# Altium PCB RTM_SFP.PcbDoc (part 7 of 17) (continued)
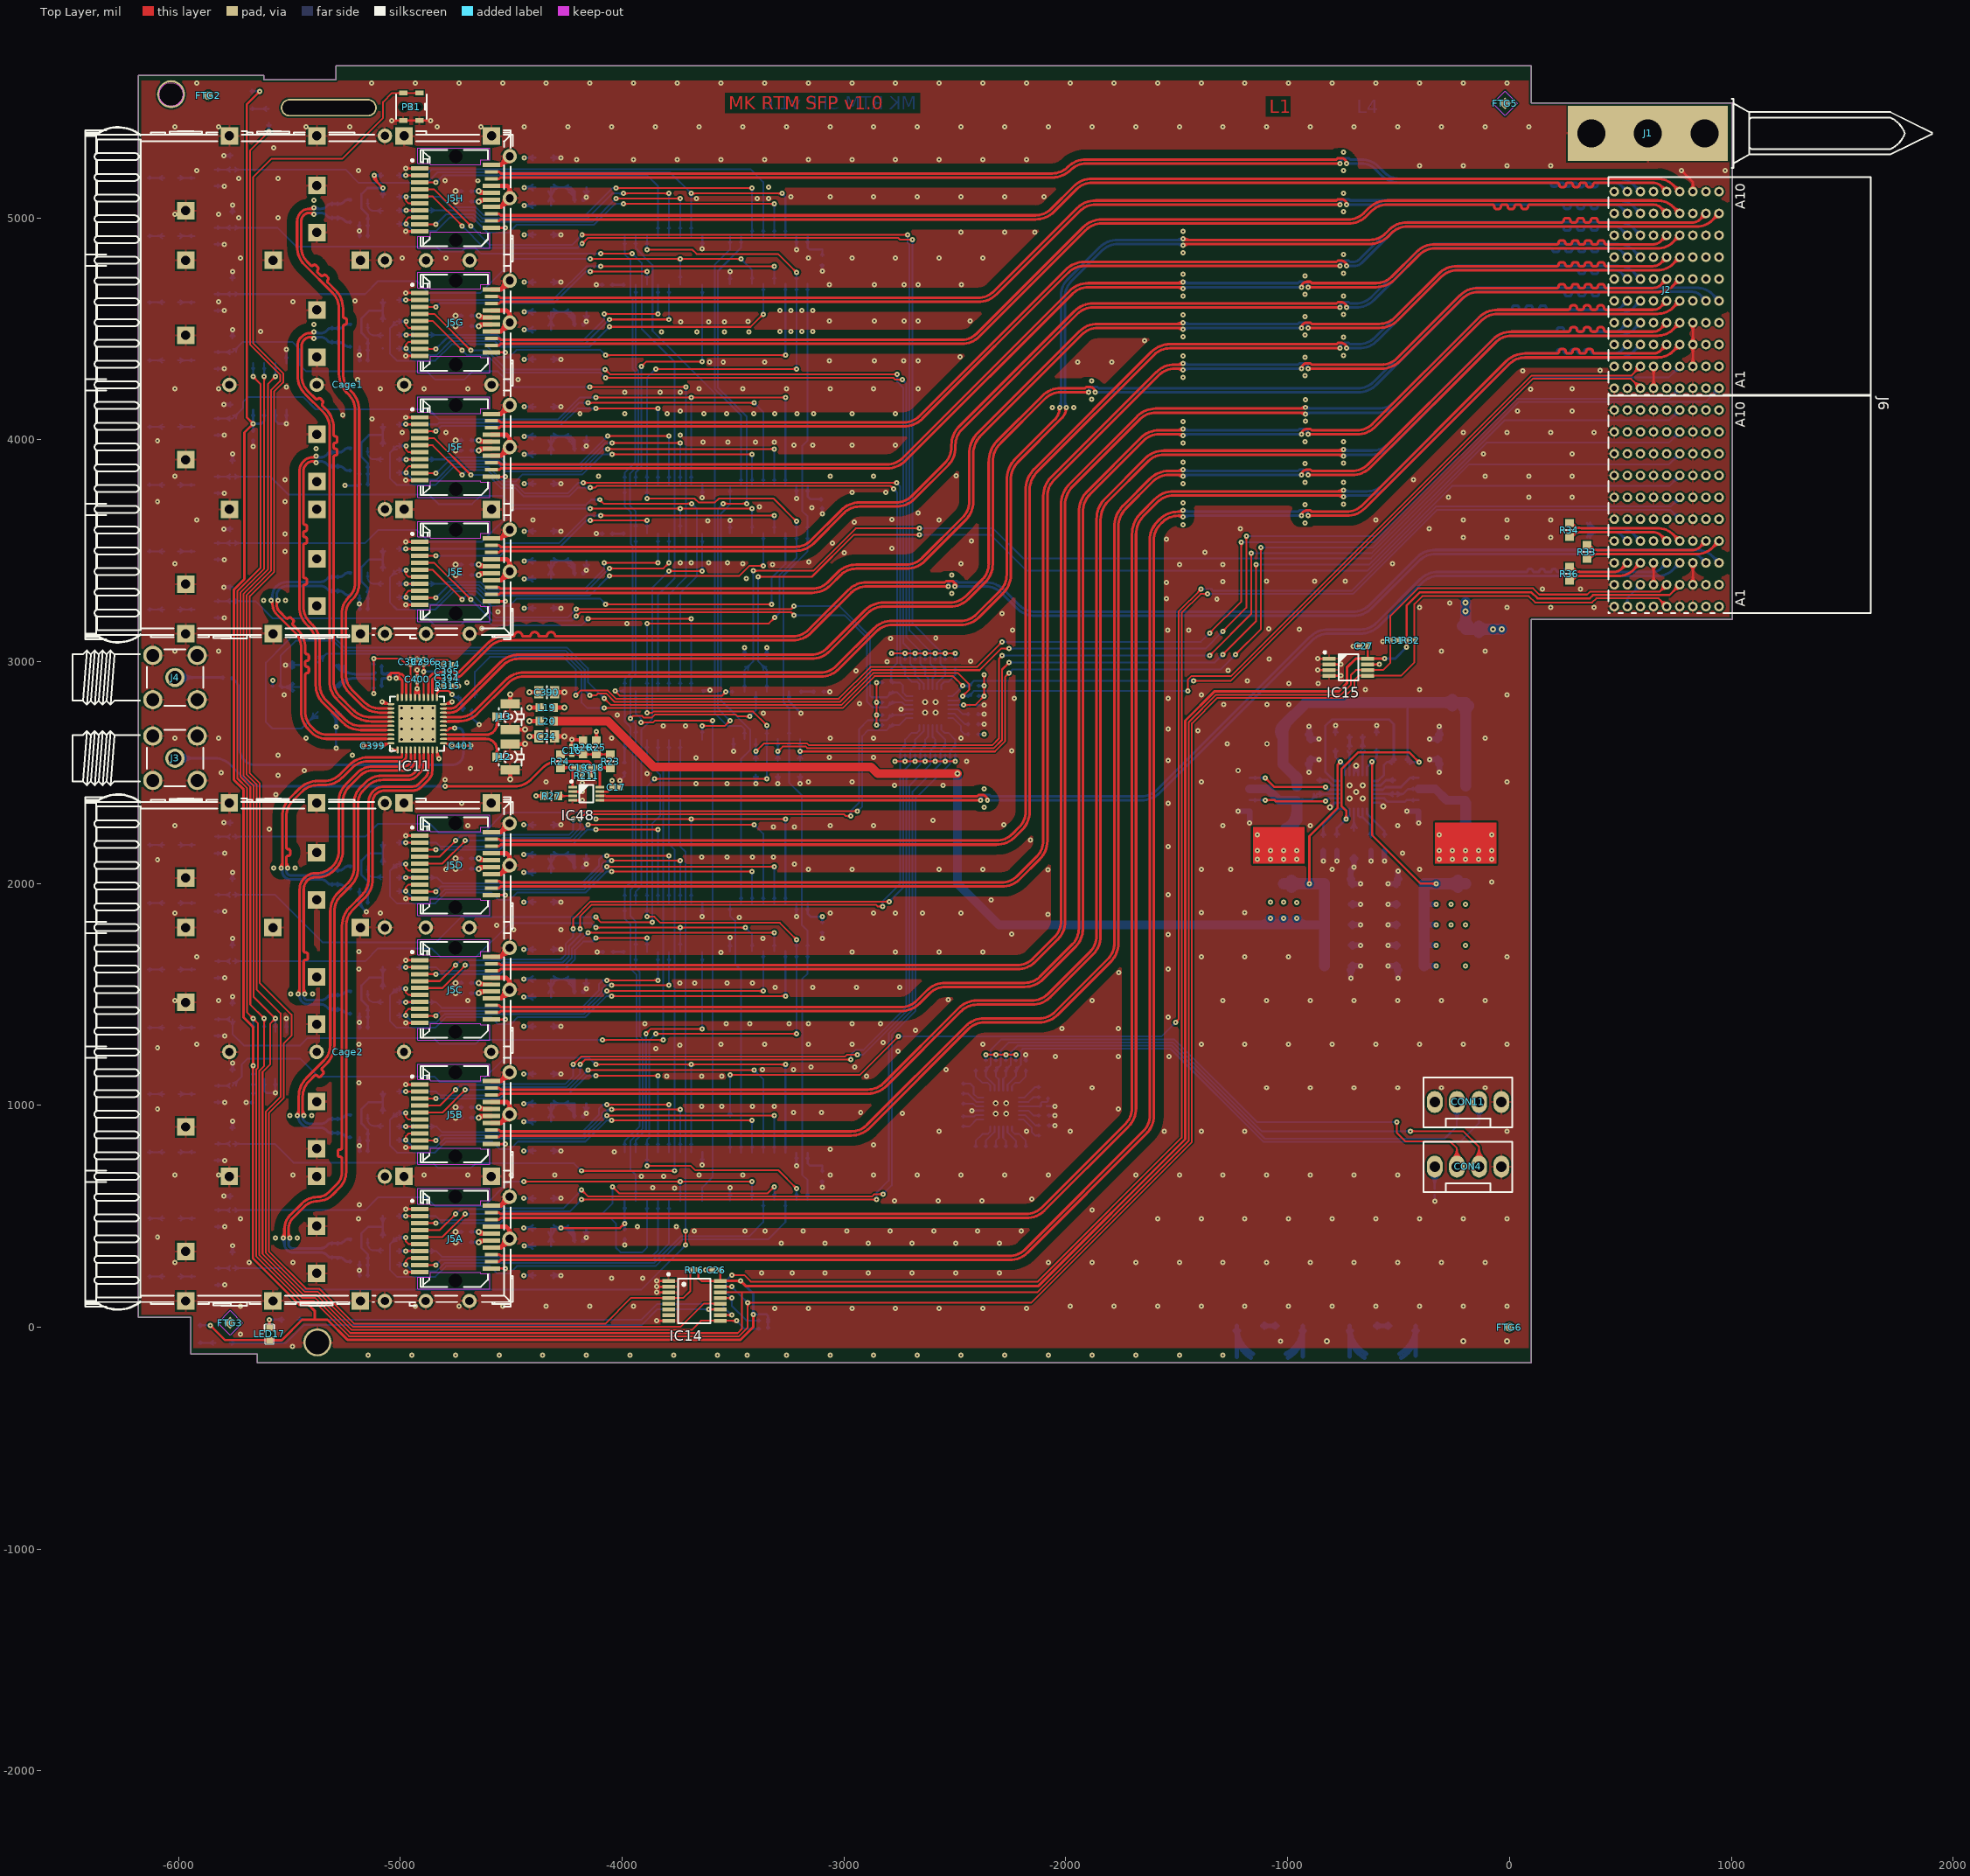
[diagram p0: Top Layer view]
## Nets (pads, with @x,y where several pads share a name; then routed paths per layer and width w, separated by ;. In a path a pad name is that pad's centre, name@x,y a point inside that pad or via, vN(x,y) a via of type N, cw(c..) or ccw(c..) an arc to the next point about the centre after c; other vN are vias at no path point) (continued)
  Bottom Layer w7.99: IC12.1@-5669.32,1354.4 ccw(c-5682.66,1367.74) -5663.8,1367.74 ccw(c-5644.93,1367.74) IC12.1@-5658.27,1354.4 ; IC13.1@-5669.32,4321.69 cw(c-5682.66,4308.35) -5663.8,4308.35 cw(c-5644.93,4308.35) IC13.1@-5658.27,4321.69 ; IC12.1@-5663.8,1330.17 v1(-5663.8,1391.46) ; v1(-5663.8,4284.63) IC13.1@-5663.8,4345.92 ; v1(-3506.1,182.48) v1(-3433.86,110.24) ; -5663.8,1372.6 cw(c-5644.93,1372.6) -5658.27,1385.94 ccw(c-5644.93,1372.6) -5663.8,1372.6 ; -5663.8,1372.6 ccw(c-5682.66,1372.6) -5669.32,1385.94 cw(c-5682.66,1372.6) -5663.8,1372.6 ; -5663.8,4303.5 cw(c-5682.66,4303.5) -5669.32,4290.16 ccw(c-5682.66,4303.5) -5663.8,4303.5 ; -5663.8,4303.5 ccw(c-5644.93,4303.5) -5658.27,4290.16 cw(c-5644.93,4303.5) -5663.8,4303.5 ; -3492.76,169.14 cw(c-3479.42,182.48) -3498.29,182.48 ccw(c-3479.42,182.48) -3492.76,169.14 ; -3492.76,169.14 ccw(c-3506.1,155.8) -3506.1,174.67 cw(c-3506.1,155.8) -3492.76,169.14 ; -3447.2,123.58 cw(c-3460.54,110.24) -3441.67,110.24 ccw(c-3460.54,110.24) -3447.2,123.58 ; -3447.2,123.58 ccw(c-3433.86,136.92) -3433.86,118.05 cw(c-3433.86,136.92) -3447.2,123.58
NetIC12_2: IC12.2 IC13.2 IC14.14 IC15.6 J6.D2 R31.2 | length 14374
  Top Layer w7.99: -5624.17,1401.03 ccw(c-5611.12,1404.53) v1@-5613.83,1391.29 ; -5623.36,1401.84 cw(c-5626.86,1388.79) v1@-5613.62,1391.5 ; v1(-5613.8,4284.63) -5613.8,3418.73 -5720.65,3311.87 -5720.65,2479.47 -5676.59,2435.4 -5676.59,1454.26 v1(-5613.8,1391.46) -5613.8,1178.24 -5635.46,1156.57 -5635.46,324.51 -5442.42,131.46 -5383.36,131.46 -5225.43,-26.47 -3479.62,-26.47 -3460.24,-7.09 -3460.24,156.89 ; IC14.14@-3558.27,156.89 -3460.24,156.89 ; IC14.14@-3535.14,153.45 cw(c-3526.84,145.15) -3526.84,156.89 cw(c-3526.84,168.63) IC14.14@-3535.14,160.33 ; IC15.6@-663.48,2958.57 ccw(c-671.78,2950.27) -671.78,2962.01 ccw(c-671.78,2973.75) IC15.6@-663.48,2965.45 ; IC15.6@-615.26,2958.57 cw(c-606.96,2950.27) -606.96,2962.01 cw(c-606.96,2973.75) IC15.6@-615.26,2965.45 ; R31.2@-542.54,3090.54 cw(c-555.89,3077.2) -537.02,3077.2 cw(c-518.15,3077.2) R31.2@-531.49,3090.54 ; R31.2@-542.54,3101.59 ccw(c-555.89,3114.93) -537.02,3114.93 ccw(c-518.15,3114.93) R31.2@-531.49,3101.59 ; 683.8,3322.14 ccw(c675.46,3353.26) J6.D2@707.02,3346.79 ; 684.34,3321.59 cw(c715.46,3313.26) J6.D2@709,3344.82 ; 687.69,3334.09 cw(c712.56,3327.42) J6.D2@707.39,3352.65 ; 696.29,3325.48 ccw(c689.63,3350.35) J6.D2@714.85,3345.19 ; J6.D2@708.66,3346.46 677.01,3314.81 362.44,3314.81 350,3302.36 134.25,3302.36 106.3,3330.31 -412.99,3330.31 -537.02,3206.29 R31.2@-537.02,3096.06 -537.02,2995.66 -570.67,2962.01 IC15.6@-639.37,2962.01 -692.32,2962.01 -715.71,2938.62 -715.71,2894.52 -759.6,2850.63 -1322.33,2850.63 -1445.91,2727.05 -1445.91,840.73 -2129.75,156.89 -3460.24,156.89 ; -5627.14,1404.81 cw(c-5640.48,1391.46) -5621.61,1391.46 ccw(c-5640.48,1391.46) -5627.14,1404.81 ; -5627.14,1404.81 ccw(c-5613.8,1418.15) -5613.8,1399.28 cw(c-5613.8,1418.15) -5627.14,1404.81 ; -5613.8,1372.6 cw(c-5594.93,1372.6) -5608.27,1385.94 ccw(c-5594.93,1372.6) -5613.8,1372.6 ; -5613.8,1372.6 ccw(c-5632.66,1372.6) -5619.32,1385.94 cw(c-5632.66,1372.6) -5613.8,1372.6 ; -5613.8,4265.76 cw(c-5594.93,4265.76) -5608.27,4279.1 ccw(c-5594.93,4265.76) -5613.8,4265.76 ; -5613.8,4265.76 ccw(c-5632.66,4265.76) -5619.32,4279.1 cw(c-5632.66,4265.76) -5613.8,4265.76 ; 678.52,3316.31 cw(c708.66,3286.17) 708.66,3328.8 ccw(c708.66,3286.17) 678.52,3316.31 ; 678.52,3316.31 ccw(c648.37,3346.46) 691,3346.46 cw(c648.37,3346.46) 678.52,3316.31 ; 692.16,3329.96 cw(c708.66,3313.46) 708.66,3336.79 ccw(c708.66,3313.46) 692.16,3329.96 ; 692.16,3329.96 ccw(c675.66,3346.46) 699,3346.46 cw(c675.66,3346.46) 692.16,3329.96
  Bottom Layer w7.99: IC12.2@-5619.32,1354.4 ccw(c-5632.66,1367.74) -5613.8,1367.74 ccw(c-5594.93,1367.74) IC12.2@-5608.27,1354.4 ; IC13.2@-5619.32,4321.69 cw(c-5632.66,4308.35) -5613.8,4308.35 cw(c-5594.93,4308.35) IC13.2@-5608.27,4321.69 ; IC12.2@-5613.8,1330.17 v1(-5613.8,1391.46) ; v1(-5613.8,4284.63) IC13.2@-5613.8,4345.92 ; -5613.8,1372.6 cw(c-5594.93,1372.6) -5608.27,1385.94 ccw(c-5594.93,1372.6) -5613.8,1372.6 ; -5613.8,1372.6 ccw(c-5632.66,1372.6) -5619.32,1385.94 cw(c-5632.66,1372.6) -5613.8,1372.6 ; -5613.8,4303.5 cw(c-5632.66,4303.5) -5619.32,4290.16 ccw(c-5632.66,4303.5) -5613.8,4303.5 ; -5613.8,4303.5 ccw(c-5594.93,4303.5) -5608.27,4290.16 cw(c-5594.93,4303.5) -5613.8,4303.5
NetIC12_3: IC12.3 IC13.3 IC14.9 R14.2 | length 7266.8
  Top Layer w7.99: -5574.17,1381.9 cw(c-5561.12,1378.4) v1@-5563.83,1391.64 ; -5574.17,1401.03 ccw(c-5561.12,1404.53) v1@-5563.83,1391.29 ; -5574.17,4275.06 cw(c-5561.12,4271.56) v1@-5563.83,4284.8 ; -5573.36,1381.09 ccw(c-5576.86,1394.14) v1@-5563.62,1391.43 ; -5573.36,1401.84 cw(c-5576.86,1388.79) v1@-5563.62,1391.5 ; -5573.36,4274.25 ccw(c-5576.86,4287.31) v1@-5563.62,4284.59 ; v1(-5563.8,4284.63) -5597.64,4250.79 -5597.64,3415.1 -5706.66,3306.08 -5706.66,2485.26 -5662.6,2441.2 -5662.6,1490.27 v1(-5563.8,1391.46) -5587.8,1367.46 -5587.8,1184.45 -5621.47,1150.77 -5621.47,330.31 -5436.62,145.46 -5377.57,145.46 -5219.63,-12.48 -3686.5,-12.48 -3645.08,28.94 IC14.9@-3558.27,28.94 v1(-3484.84,28.94) ; IC14.9@-3581.39,25.5 ccw(c-3589.69,17.2) -3589.69,28.94 ccw(c-3589.69,40.68) IC14.9@-3581.39,32.38 ; IC14.9@-3535.14,25.5 cw(c-3526.84,17.2) -3526.84,28.94 cw(c-3526.84,40.68) IC14.9@-3535.14,32.38 ; -5577.14,1378.12 cw(c-5563.8,1364.78) -5563.8,1383.65 ccw(c-5563.8,1364.78) -5577.14,1378.12 ; -5577.14,1378.12 ccw(c-5590.48,1391.46) v1@-5571.61,1391.46 ; -5577.14,1378.12 ccw(c-5590.48,1391.46) v1@-5571.61,1391.46 ; -5577.14,1404.81 cw(c-5590.48,1391.46) v1@-5571.61,1391.46 ; -5577.14,1404.81 ccw(c-5563.8,1418.15) -5563.8,1399.28 cw(c-5563.8,1418.15) -5577.14,1404.81 ; -5577.14,1404.81 cw(c-5590.48,1391.46) v1@-5571.61,1391.46 ; -5577.14,4271.29 cw(c-5563.8,4257.95) -5563.8,4276.82 ccw(c-5563.8,4257.95) -5577.14,4271.29 ; -5577.14,4271.29 ccw(c-5590.48,4284.63) -5571.61,4284.63 cw(c-5590.48,4284.63) -5577.14,4271.29 ; -3503.71,28.94 cw(c-3503.71,10.07) -3490.37,23.41 ccw(c-3503.71,10.07) -3503.71,28.94 ; -3503.71,28.94 ccw(c-3503.71,47.8) -3490.37,34.46 cw(c-3503.71,47.8) -3503.71,28.94
  Bottom Layer w7.99: IC12.3@-5569.32,1354.4 ccw(c-5582.66,1367.74) -5563.8,1367.74 ccw(c-5544.93,1367.74) IC12.3@-5558.27,1354.4 ; IC13.3@-5569.32,4321.69 cw(c-5582.66,4308.35) -5563.8,4308.35 cw(c-5544.93,4308.35) IC13.3@-5558.27,4321.69 ; IC12.3@-5563.8,1330.17 v1(-5563.8,1391.46) ; v1(-5563.8,4284.63) IC13.3@-5563.8,4345.92 ; v1(-3484.84,28.94) -3448.82,-7.09 R14.2@-3378.35,-7.09 ; R14.2@-3383.87,-12.61 ccw(c-3397.21,-25.95) -3397.21,-7.09 ccw(c-3397.21,11.78) R14.2@-3383.87,-1.56 ; -5563.8,1372.6 cw(c-5544.93,1372.6) -5558.27,1385.94 ccw(c-5544.93,1372.6) -5563.8,1372.6 ; -5563.8,1372.6 ccw(c-5582.66,1372.6) -5569.32,1385.94 cw(c-5582.66,1372.6) -5563.8,1372.6 ; -5563.8,4303.5 cw(c-5582.66,4303.5) -5569.32,4290.16 ccw(c-5582.66,4303.5) -5563.8,4303.5 ; -5563.8,4303.5 ccw(c-5544.93,4303.5) -5558.27,4290.16 cw(c-5544.93,4303.5) -5563.8,4303.5 ; -3471.5,15.6 cw(c-3458.16,28.94) -3477.03,28.94 ccw(c-3458.16,28.94) -3471.5,15.6 ; -3471.5,15.6 ccw(c-3484.84,2.25) -3484.84,21.12 cw(c-3484.84,2.25) -3471.5,15.6
NetIC14_4: IC14.4 PB1.1 PB1.2 R16.2 | length 8364.7
  Top Layer w7.99: PB1.1@-4999.96,5557.63 ccw(c-5011.62,5545.97) -5011.62,5562.46 ccw(c-5011.62,5578.95) PB1.1@-4999.96,5567.29 ; PB1.1@-4974.55,5557.63 cw(c-4962.89,5545.97) -4962.89,5562.46 cw(c-4962.89,5578.95) PB1.1@-4974.55,5567.29 ; PB1.2@-4927.13,5557.63 ccw(c-4938.79,5545.97) -4938.79,5562.46 ccw(c-4938.79,5578.95) PB1.2@-4927.13,5567.29 ; PB1.2@-4914.42,5562.46 PB1.1@-4987.26,5562.46 -5037.54,5562.46 -5077.95,5522.05 -5077.95,5450.39 -5262.2,5266.14 -5581.39,5266.14 -5664.07,5183.46 -5664.07,4435.53 -5528,4299.46 -5528,4257.91 -5569.65,4216.25 -5569.65,3403.51 -5678.68,3294.49 -5678.68,2496.85 -5634.61,2452.79 -5634.61,1552.33 -5490.94,1408.66 -5490.94,1314.35 -5526.56,1278.74 -5526.56,1032 -5593.49,965.07 -5593.49,341.9 -5425.03,173.44 -5365.98,173.44 -5208.04,15.5 -4077.02,15.5 -3961.22,131.3 IC14.4@-3790.55,131.3 -3725,131.3 -3692.52,163.78 R16.2@-3692.52,257.48 ; IC14.4@-3813.67,127.86 ccw(c-3821.97,119.56) -3821.97,131.3 ccw(c-3821.97,143.04) IC14.4@-3813.67,134.74 ; IC14.4@-3767.43,127.86 cw(c-3759.13,119.56) -3759.13,131.3 cw(c-3759.13,143.04) IC14.4@-3767.43,134.74 ; R16.2@-3698.05,251.95 cw(c-3711.39,238.61) -3692.52,238.61 cw(c-3673.65,238.61) R16.2@-3686.99,251.95
NetIC16_2: IC16.2 R195.2 R248.2 | length 306.5
  Bottom Layer w10: R195.2@-729.86,2596.52 cw(c-751.57,2574.81) -720.87,2574.81 cw(c-690.17,2574.81) R195.2@-711.87,2596.52 ; R195.2@-729.86,2618.44 ccw(c-751.57,2640.15) -720.87,2640.15 ccw(c-690.17,2640.15) R195.2@-711.87,2618.44 ; R248.2@-729.86,2659.51 cw(c-751.57,2637.8) -720.87,2637.8 cw(c-690.17,2637.8) R248.2@-711.87,2659.51 ; IC16.2@-720.87,2489.37 R195.2@-720.87,2588.19 ; R195.2@-720.87,2607.48 R248.2@-720.87,2670.47
NetIC16_5: IC16.5 R18.2 R53.1 | length 306.5
  Bottom Layer w10: R53.1@-670.8,2596.52 cw(c-692.51,2574.81) -661.81,2574.81 cw(c-631.11,2574.81) R53.1@-652.82,2596.52 ; R53.1@-670.8,2618.44 ccw(c-692.51,2640.15) -661.81,2640.15 ccw(c-631.11,2640.15) R53.1@-652.82,2618.44 ; R18.2@-670.8,2659.51 cw(c-692.51,2637.8) -661.81,2637.8 cw(c-631.11,2637.8) R18.2@-652.82,2659.51 ; IC16.5@-661.81,2489.37 R53.1@-661.81,2588.19 ; R53.1@-661.81,2607.48 R18.2@-661.81,2670.47
NetIC16_9: IC16.9 T6.4 | length 252.3
  Bottom Layer w10: IC16.9@-614.57,2422.44 -570.87,2422.44 -559.06,2434.25 -489.76,2434.25 -448.23,2475.79 T6.4@-410.24,2475.79 ; T6.4@-433.75,2470.97 ccw(c-445.38,2459.34) -445.38,2475.79 ccw(c-445.38,2492.23) T6.4@-433.75,2480.6
NetIC16_11: IC16.11 T6.2 | length 239.9
  Bottom Layer w10: IC16.11@-614.57,2383.07 -564.17,2383.07 -548.82,2367.72 -472.05,2367.72 -463.98,2375.79 T6.2@-410.24,2375.79 ; T6.2@-433.75,2370.97 ccw(c-445.38,2359.34) -445.38,2375.79 ccw(c-445.38,2392.23) T6.2@-433.75,2380.6
NetIC16_13: IC16.13 R246.2 | length 214.3
  Bottom Layer w10: IC16.13@-642.13,2335.83 -642.13,2313.39 -563.39,2234.65 ; IC16.13@-641.22,2324.02 ccw(c-613.37,2324.02) -633.06,2304.32 ; R246.2@-570.81,2220.17 ccw(c-581.21,2234.64) -563.39,2234.64 ; R246.2@-563.39,2209.84 -563.39,2234.65 ; R246.2@-555.96,2220.17 cw(c-545.56,2234.64) -563.39,2234.64
NetIC16_18: IC16.18 R54.1 | length 232.9
  Bottom Layer w10: R54.1@-848.36,2218.83 ccw(c-870.07,2240.54) -839.37,2240.54 ccw(c-808.67,2240.54) R54.1@-830.38,2218.83 ; R54.1@-839.37,2209.84 -839.37,2267.32 -770.87,2335.83 IC16.18@-740.55,2335.83
NetIC16_20: IC16.20 T5.2 | length 642.7
  Top Layer w10: v1(-1100.98,2375.79) -1059.65,2375.79 -1054.72,2370.87 v1(-829.13,2370.87) ; -1084.54,2375.79 cw(c-1084.54,2392.23) -1096.17,2380.6 ccw(c-1084.54,2392.23) -1084.54,2375.79 ; -1084.54,2375.79 ccw(c-1084.54,2359.34) -1096.17,2370.97 cw(c-1084.54,2359.34) -1084.54,2375.79 ; -845.58,2370.87 cw(c-845.58,2354.42) -833.95,2366.05 ccw(c-845.58,2354.42) -845.58,2370.87 ; -845.58,2370.87 ccw(c-845.58,2387.31) -833.95,2375.68 cw(c-845.58,2387.31) -845.58,2370.87
  Bottom Layer w10: T5.2@-1171.26,2375.79 v1(-1100.98,2375.79) ; T5.2@-1147.74,2370.97 cw(c-1136.12,2359.34) -1136.12,2375.79 cw(c-1136.12,2392.23) T5.2@-1147.74,2380.6 ; v1(-829.13,2370.87) -816.93,2383.07 IC16.20@-768.11,2383.07 ; -1117.43,2375.79 cw(c-1117.43,2359.34) -1105.8,2370.97 ccw(c-1117.43,2359.34) -1117.43,2375.79 ; -1117.43,2375.79 ccw(c-1117.43,2392.23) -1105.8,2380.6 cw(c-1117.43,2392.23) -1117.43,2375.79 ; -817.51,2382.49 cw(c-829.13,2394.12) -829.13,2377.68 ccw(c-829.13,2394.12) -817.51,2382.49 ; -817.51,2382.49 ccw(c-805.88,2370.87) -822.32,2370.87 cw(c-805.88,2370.87) -817.51,2382.49
NetIC16_22: IC16.22 T5.4 | length 657.7
  Top Layer w10: v1(-1100.98,2475.79) -1059.84,2434.65 v1(-829.13,2434.65) ; -1089.36,2464.16 cw(c-1077.73,2475.79) -1094.17,2475.79 ccw(c-1077.73,2475.79) -1089.36,2464.16 ; -1089.36,2464.16 ccw(c-1100.98,2452.53) -1100.98,2468.98 cw(c-1100.98,2452.53) -1089.36,2464.16 ; -845.58,2434.65 cw(c-845.58,2418.2) -833.95,2429.83 ccw(c-845.58,2418.2) -845.58,2434.65 ; -845.58,2434.65 ccw(c-845.58,2451.09) -833.95,2439.46 cw(c-845.58,2451.09) -845.58,2434.65
  Bottom Layer w10: T5.4@-1171.26,2475.79 v1(-1100.98,2475.79) ; T5.4@-1147.74,2470.97 cw(c-1136.12,2459.34) -1136.12,2475.79 cw(c-1136.12,2492.23) T5.4@-1147.74,2480.6 ; v1(-829.13,2434.65) -816.93,2422.44 IC16.22@-768.11,2422.44 ; -1117.43,2475.79 cw(c-1117.43,2459.34) -1105.8,2470.97 ccw(c-1117.43,2459.34) -1117.43,2475.79 ; -1117.43,2475.79 ccw(c-1117.43,2492.23) -1105.8,2480.6 cw(c-1117.43,2492.23) -1117.43,2475.79 ; -817.51,2423.02 cw(c-805.88,2434.65) -822.32,2434.65 ccw(c-805.88,2434.65) -817.51,2423.02 ; -817.51,2423.02 ccw(c-829.13,2411.39) -829.13,2427.83 cw(c-829.13,2411.39) -817.51,2423.02
NetIC20A_5: IC20A.5 R109A.1 | length 177.2
  Bottom Layer w7.99: IC20A.5@-5150.98,381.11 cw(c-5155.59,373.69) -5146.85,373.69 ; IC20A.5@-5146.85,397.59 -5146.85,373.69 ; IC20A.5@-5142.72,381.11 ccw(c-5138.11,373.69) -5146.85,373.69 ; -5114.24,346.41 cw(c-5114.24,309.92) R109A.1@-5088.44,335.72 ; -5109.49,346.41 ccw(c-5109.49,376.17) R109A.1@-5088.44,355.13 ; R109A.1@-5078.74,346.41 -5119.02,346.41 cw(c-5119.02,374.63) -5138.98,354.68 cw(c-5119.97,373.69) -5146.85,373.69
NetIC20B_5: IC20B.5 R109B.1 | length 177.2
  Bottom Layer w7.99: IC20B.5@-5150.98,942.18 cw(c-5155.59,934.76) -5146.85,934.76 ; IC20B.5@-5146.85,958.66 -5146.85,934.76 ; IC20B.5@-5142.72,942.18 ccw(c-5138.11,934.76) -5146.85,934.76 ; -5138.98,915.75 ccw(c-5119.02,935.71) -5119.02,907.48 R109B.1@-5078.74,907.48 ; -5138.99,915.76 cw(c-5119.97,934.76) -5146.85,934.76 ; -5114.24,907.48 cw(c-5114.24,871) R109B.1@-5088.44,896.79 ; -5109.49,907.48 ccw(c-5109.49,937.24) R109B.1@-5088.44,916.2
NetIC20C_5: IC20C.5 R109C.1 | length 177.2
  Bottom Layer w7.99: IC20C.5@-5150.98,1499.27 cw(c-5155.59,1491.84) -5146.85,1491.84 ; IC20C.5@-5146.85,1515.75 -5146.85,1491.84 ; IC20C.5@-5142.72,1499.27 ccw(c-5138.11,1491.84) -5146.85,1491.84 ; -5114.24,1464.57 ccw(c-5114.24,1501.05) R109C.1@-5088.44,1475.25 ; -5109.49,1464.57 cw(c-5109.49,1434.8) R109C.1@-5088.44,1455.85 ; R109C.1@-5078.74,1464.57 -5119.02,1464.57 cw(c-5119.02,1492.79) -5138.98,1472.83 cw(c-5119.97,1491.84) -5146.85,1491.84
NetIC20D_5: IC20D.5 R109D.1 | length 177.2
  Bottom Layer w7.99: IC20D.5@-5150.98,2062.26 cw(c-5155.59,2054.84) -5146.85,2054.84 ; IC20D.5@-5146.85,2078.74 -5146.85,2054.84 ; IC20D.5@-5142.72,2062.26 ccw(c-5138.11,2054.84) -5146.85,2054.84 ; -5114.24,2027.56 ccw(c-5114.24,2064.04) R109D.1@-5088.44,2038.25 ; -5109.49,2027.56 cw(c-5109.49,1997.8) R109D.1@-5088.44,2018.84 ; R109D.1@-5078.74,2027.56 -5119.02,2027.56 cw(c-5119.02,2055.79) -5138.98,2035.83 cw(c-5119.97,2054.84) -5146.85,2054.84
NetIC20E_5: IC20E.5 R109E.1 | length 177.2
  Bottom Layer w7.99: IC20E.5@-5150.98,3385.1 cw(c-5155.59,3377.67) -5146.85,3377.67 ; IC20E.5@-5146.85,3401.58 -5146.85,3377.67 ; IC20E.5@-5142.72,3385.1 ccw(c-5138.11,3377.67) -5146.85,3377.67 ; R109E.1@-5088.44,3340.69 ccw(c-5111.86,3317.27) -5111.86,3350.39 ccw(c-5111.86,3383.52) R109E.1@-5088.44,3360.1 ; R109E.1@-5078.74,3350.39 -5119.02,3350.39 cw(c-5119.02,3378.62) -5138.98,3358.66 cw(c-5119.97,3377.67) -5146.85,3377.67
NetIC20F_5: IC20F.5 R109F.1 | length 177.2
  Bottom Layer w7.99: IC20F.5@-5150.98,3946.51 cw(c-5155.59,3939.09) -5146.85,3939.09 ; IC20F.5@-5146.85,3962.99 -5146.85,3939.09 ; IC20F.5@-5142.72,3946.51 ccw(c-5138.11,3939.09) -5146.85,3939.09 ; -5112.82,3911.81 cw(c-5112.82,3877.34) R109F.1@-5088.44,3901.72 ; -5110.91,3911.81 ccw(c-5110.91,3943.59) R109F.1@-5088.44,3921.12 ; R109F.1@-5078.74,3911.81 -5119.02,3911.81 cw(c-5119.02,3940.04) -5138.98,3920.08 cw(c-5119.97,3939.09) -5146.85,3939.09
NetIC20G_5: IC20G.5 R109G.1 | length 177.2
  Bottom Layer w7.99: IC20G.5@-5150.98,4505.57 cw(c-5155.59,4498.14) -5146.85,4498.14 ; IC20G.5@-5146.85,4522.05 -5146.85,4498.14 ; IC20G.5@-5142.72,4505.57 ccw(c-5138.11,4498.14) -5146.85,4498.14 ; -5112.82,4470.87 cw(c-5112.82,4436.4) R109G.1@-5088.44,4460.77 ; -5110.91,4470.87 ccw(c-5110.91,4502.65) R109G.1@-5088.44,4480.17 ; R109G.1@-5078.74,4470.87 -5119.02,4470.87 cw(c-5119.02,4499.09) -5138.98,4479.13 cw(c-5119.97,4498.14) -5146.85,4498.14
NetIC20H_5: IC20H.5 R109H.1 | length 177.2
  Bottom Layer w7.99: IC20H.5@-5150.98,5066.2 cw(c-5155.59,5058.77) -5146.85,5058.77 ; IC20H.5@-5146.85,5082.68 -5146.85,5058.77 ; IC20H.5@-5142.72,5066.2 ccw(c-5138.11,5058.77) -5146.85,5058.77 ; R109H.1@-5088.44,5021.8 ccw(c-5111.86,4998.38) -5111.86,5031.5 ccw(c-5111.87,5064.62) R109H.1@-5088.44,5041.2 ; R109H.1@-5078.74,5031.5 -5119.02,5031.5 cw(c-5119.02,5059.72) -5138.98,5039.76 cw(c-5119.97,5058.77) -5146.85,5058.77
NetIC39_18: IC39.18 R328.2 | length 162.1
  Bottom Layer w7.99: IC39.18@-2561.76,2874.81 -2561.76,2894.94 -2547.64,2909.06 -2528.94,2909.06 -2498.82,2939.17 R328.2@-2498.82,2970.28 ; R328.2@-2504.35,2964.75 cw(c-2517.69,2951.41) -2498.82,2951.41 cw(c-2479.95,2951.41) R328.2@-2493.29,2964.75
NetIC39_22: IC39.22 R326.2 | length 134.1
  Bottom Layer w7.99: IC39.22@-2530.26,2784.26 -2486.23,2784.26 -2464.76,2762.8 R326.2@-2434.65,2762.8 ; R326.2@-2440.17,2757.27 ccw(c-2453.51,2743.93) -2453.51,2762.8 ccw(c-2453.51,2781.66) R326.2@-2440.17,2768.32
NetIC39_23: IC39.23 R327.2 | length 144.7
  Bottom Layer w7.99: IC39.23@-2530.26,2764.57 -2501.19,2764.57 -2454.33,2717.72 R327.2@-2434.65,2717.72 ; R327.2@-2440.17,2712.19 ccw(c-2453.51,2698.85) -2453.51,2717.72 ccw(c-2453.51,2736.58) R327.2@-2440.17,2723.24
NetIC40_1: IC40.1 R337.1 | length 162.3
  Bottom Layer w7.99: IC40.1@-2243.31,905.12 -2243.31,884.78 -2229.19,870.66 -2210.49,870.66 -2180.37,840.54 R337.1@-2180.37,809.44 ; R337.1@-2185.9,814.97 ccw(c-2199.24,828.31) -2180.37,828.31 ccw(c-2161.5,828.31) R337.1@-2174.84,814.97
NetIC40_2: IC40.2 R338.1 | length 140.9
  Bottom Layer w7.99: IC40.2@-2262.99,905.12 -2262.99,878.09 -2225.45,840.54 R338.1@-2225.45,809.44 ; R338.1@-2230.98,814.97 ccw(c-2244.32,828.31) -2225.45,828.31 ccw(c-2206.58,828.31) R338.1@-2219.92,814.97
NetIC40_3: IC40.3 R339.1 | length 130.3
  Bottom Layer w7.99: IC40.3@-2282.68,905.12 -2282.68,852.69 -2270.53,840.54 R339.1@-2270.53,809.44 ; R339.1@-2276.05,814.97 ccw(c-2289.39,828.31) -2270.53,828.31 ccw(c-2251.66,828.31) R339.1@-2265,814.97
NetIC40_4: IC40.4 R340.1 | length 130.9
  Bottom Layer w7.99: R340.1@-2321.33,814.97 ccw(c-2334.67,828.31) -2315.8,828.31 ccw(c-2296.94,828.31) R340.1@-2310.28,814.97 ; R340.1@-2315.8,809.44 -2315.8,840.54 -2302.36,853.98 IC40.4@-2302.36,905.12
NetIC40_5: IC40.5 R341.1 | length 141.5
  Bottom Layer w7.99: R341.1@-2366.6,814.97 ccw(c-2379.95,828.31) -2361.08,828.31 ccw(c-2342.21,828.31) R341.1@-2355.55,814.97 ; R341.1@-2361.08,809.44 -2361.08,840.54 -2322.05,879.57 IC40.5@-2322.05,905.12
NetIC40_6: IC40.6 R342.1 | length 165.8
  Bottom Layer w7.99: R342.1@-2411.68,814.97 ccw(c-2425.02,828.31) -2406.16,828.31 ccw(c-2387.29,828.31) R342.1@-2400.63,814.97 ; R342.1@-2406.16,809.44 -2406.16,840.54 -2376.04,870.66 -2352.42,870.66 -2341.73,881.35 IC40.6@-2341.73,905.12
NetIC40_7: IC40.7 R343.1 | length 138.1
  Bottom Layer w7.99: R343.1@-2468.76,905.5 -2433.13,905.5 -2402.02,936.61 IC40.7@-2373.23,936.61 ; R343.1@-2463.23,899.98 cw(c-2449.89,886.64) -2449.89,905.5 cw(c-2449.89,924.37) R343.1@-2463.23,911.03
NetIC40_8: IC40.8 R344.1 | length 127.5
  Bottom Layer w7.99: R344.1@-2468.76,950.58 -2412.06,950.58 -2406.35,956.3 IC40.8@-2373.23,956.3 ; R344.1@-2463.23,945.06 cw(c-2449.89,931.72) -2449.89,950.58 cw(c-2449.89,969.45) R344.1@-2463.23,956.11
NetIC40_10: IC40.10 R350.1 | length 130.1
  Bottom Layer w7.99: R350.1@-2468.76,1007.47 -2418.56,1007.47 -2406.76,995.67 IC40.10@-2373.23,995.67 ; R350.1@-2463.23,1001.95 cw(c-2449.89,988.61) -2449.89,1007.47 cw(c-2449.89,1026.34) R350.1@-2463.23,1013
NetIC40_11: IC40.11 R351.1 | length 140.7
  Bottom Layer w7.99: R351.1@-2468.76,1052.75 -2441.39,1052.75 -2404,1015.35 IC40.11@-2373.23,1015.35 ; R351.1@-2463.23,1047.22 cw(c-2449.89,1033.88) -2449.89,1052.75 cw(c-2449.89,1071.62) R351.1@-2463.23,1058.27
NetIC40_12: IC40.12 R352.1 | length 169.9
  Bottom Layer w7.99: R352.1@-2468.76,1097.83 -2429.78,1097.83 -2416.2,1084.24 -2416.2,1052.35 -2398.88,1035.04 IC40.12@-2373.23,1035.04 ; R352.1@-2463.23,1092.3 cw(c-2449.89,1078.96) -2449.89,1097.83 cw(c-2449.89,1116.69) R352.1@-2463.23,1103.35
NetIC40_13: IC40.13 R353.1 | length 165.8
  Bottom Layer w7.99: R353.1@-2411.68,1156.67 cw(c-2425.02,1143.33) -2406.16,1143.33 cw(c-2387.29,1143.33) R353.1@-2400.63,1156.67 ; R353.1@-2406.16,1162.2 -2406.16,1131.09 -2376.04,1100.98 -2352.42,1100.98 -2341.73,1090.29 IC40.13@-2341.73,1066.54
NetIC40_18: IC40.18 R349.2 | length 162.3
  Bottom Layer w7.99: IC40.18@-2243.31,1066.54 -2243.31,1086.86 -2229.19,1100.98 -2210.49,1100.98 -2180.37,1131.09 R349.2@-2180.37,1162.2 ; R349.2@-2185.9,1156.67 cw(c-2199.24,1143.33) -2180.37,1143.33 cw(c-2161.5,1143.33) R349.2@-2174.84,1156.67
NetIC40_19: IC40.19 R346.1 | length 144.8
  Bottom Layer w7.99: IC40.19@-2211.81,1035.04 -2185.87,1035.04 -2138.64,1082.28 R346.1@-2116.2,1082.28 ; R346.1@-2121.72,1076.75 ccw(c-2135.06,1063.41) -2135.06,1082.28 ccw(c-2135.06,1101.14) R346.1@-2121.72,1087.8
NetIC40_20: IC40.20 R345.1 | length 134.1
  Bottom Layer w7.99: IC40.20@-2211.81,1015.35 -2167.76,1015.35 -2146.31,1036.8 R345.1@-2116.2,1036.8 ; R345.1@-2121.72,1031.28 ccw(c-2135.06,1017.94) -2135.06,1036.8 ccw(c-2135.06,1055.67) R345.1@-2121.72,1042.33
NetIC40_22: IC40.22 R347.2 | length 134.1
  Bottom Layer w7.99: IC40.22@-2211.81,975.98 -2167.78,975.98 -2146.31,954.52 R347.2@-2116.2,954.52 ; R347.2@-2121.72,948.99 ccw(c-2135.06,935.65) -2135.06,954.52 ccw(c-2135.06,973.39) R347.2@-2121.72,960.05
NetIC40_23: IC40.23 R348.2 | length 144.7
  Bottom Layer w7.99: IC40.23@-2211.81,956.3 -2183.53,956.3 -2136.67,909.44 R348.2@-2116.2,909.44 ; R348.2@-2121.72,903.91 ccw(c-2135.06,890.57) -2135.06,909.44 ccw(c-2135.06,928.31) R348.2@-2121.72,914.97
NetIC40_24: IC40.24 R29.1 | length 166.6
  Bottom Layer w7.99: IC40.24@-2211.81,936.61 -2191.4,936.61 -2153.99,899.2 -2153.99,879.91 -2138.24,864.17 R29.1@-2116.2,864.17 ; R29.1@-2121.33,858.64 ccw(c-2134.67,845.3) -2134.67,864.17 ccw(c-2134.67,883.03) R29.1@-2121.33,869.69
NetIC48_3: IC48.3 R27.1 | length 117
  Top Layer w7.99: R27.1@-4287.4,2394.09 IC48.3@-4222.44,2394.09 ; R27.1@-4277.7,2384.39 cw(c-4254.28,2360.97) -4254.28,2394.09 cw(c-4254.28,2427.22) R27.1@-4277.7,2403.8
NetJ6_a4: J6.A4 R33.2 | length 829.1
  Top Layer w12: R33.2@349.21,3462.6 cw(c402.71,3409.11) 402.71,3484.76 844.91,3484.76 ccw(c844.91,3584.76) 915.62,3514.05 J6.A4@944.88,3543.31 ; 918.16,3516.58 cw(c944.88,3489.86) 944.88,3527.65 ccw(c944.88,3489.86) 918.16,3516.58 ; 918.16,3516.58 ccw(c891.44,3543.31) 929.23,3543.31 cw(c891.44,3543.31) 918.16,3516.58 ; R33.2@354.21,3473.92 ccw(c360.66,3497.99) 373.13,3476.41 cw(c360.66,3497.99) R33.2@354.21,3473.92 ; R33.2@362.5,3459.57 cw(c393.07,3451.38) 377.24,3478.78 ccw(c393.07,3451.38) R33.2@362.5,3459.57
NetJ6_b4: J6.B4 R33.1 | length 758.5
  Top Layer w12: R33.1@349.21,3525.59 ccw(c404.34,3580.72) 404.34,3502.76 824.37,3502.76 ccw(c824.37,3553.23) 860.06,3517.54 ; J6.B4@885.83,3543.31 860.06,3517.54 ; 860.06,3517.54 cw(c884.52,3493.08) 885.42,3527.66 ccw(c884.52,3493.08) 860.06,3517.54 ; 860.06,3517.54 ccw(c835.6,3542) 870.18,3542.9 cw(c835.6,3542) 860.06,3517.54 ; R33.1@354.21,3514.27 cw(c360.66,3490.2) 373.13,3511.78 ccw(c360.66,3490.2) R33.1@354.21,3514.27 ; R33.1@362.5,3528.62 ccw(c393.07,3536.81) 377.24,3509.41 cw(c393.07,3536.81) R33.1@362.5,3528.62
NetJ6_c4: J6.C4 R34.2 | length 731.1
  Top Layer w12: R34.2@270.08,3624.02 ccw(c323.57,3677.51) 323.57,3601.86 667.74,3601.86 cw(c667.74,3501.86) 738.45,3572.57 J6.C4@767.72,3543.31 ; 740.99,3570.03 cw(c714.27,3543.31) 752.06,3543.31 ccw(c714.27,3543.31) 740.99,3570.03 ; 740.99,3570.03 ccw(c767.72,3596.75) 767.72,3558.96 cw(c767.72,3596.75) 740.99,3570.03 ; R34.2@275.08,3612.7 cw(c281.53,3588.62) 293.99,3610.21 ccw(c281.53,3588.62) R34.2@275.08,3612.7 ; R34.2@283.36,3627.05 ccw(c313.93,3635.24) 298.11,3607.83 cw(c313.93,3635.24) R34.2@283.36,3627.05
NetJ6_d4: J6.D4 R34.1 | length 660.4
  Top Layer w12: R34.1@270.08,3561.02 cw(c325.21,3505.9) 325.21,3583.86 647.2,3583.86 cw(c647.2,3533.39) 682.89,3569.08 ; J6.D4@708.66,3543.31 682.89,3569.08 ; 682.89,3569.07 cw(c658.44,3544.62) 693.01,3543.72 ccw(c658.44,3544.62) 682.89,3569.07 ; 682.89,3569.07 ccw(c707.35,3593.53) 708.25,3558.96 cw(c707.35,3593.53) 682.89,3569.07 ; R34.1@275.08,3572.34 ccw(c281.53,3596.42) 293.99,3574.83 cw(c281.53,3596.42) R34.1@275.08,3572.34 ; R34.1@283.36,3557.99 cw(c313.93,3549.8) 298.11,3577.21 ccw(c313.93,3549.8) R34.1@283.36,3557.99
NetJ6_e2: J6.E2 J6.F1 | length 576.7
  Bottom Layer w7.99: J6.F1@531.5,3248.03 531.5,3287.4 ; 565.69,3322.14 ccw(c557.35,3353.26) J6.E2@588.91,3346.79 ; 566.23,3321.59 cw(c597.35,3313.26) J6.E2@590.89,3344.82 ; 569.58,3334.09 cw(c594.45,3327.42) J6.E2@589.28,3352.65 ; 578.18,3325.48 ccw(c571.52,3350.35) J6.E2@596.74,3345.19 ; J6.E2@590.55,3346.46 531.5,3287.4 ; 531.5,3287.4 cw(c496.44,3287.4) 519.75,3261.22 ccw(c496.44,3287.4) 531.5,3287.4 ; 531.5,3287.4 ccw(c566.55,3287.4) 543.24,3261.22 cw(c566.55,3287.4) 531.5,3287.4 ; 560.41,3316.31 cw(c590.55,3286.17) 590.55,3328.8 ccw(c590.55,3286.17) 560.41,3316.31 ; 560.41,3316.31 ccw(c530.26,3346.46) 572.89,3346.46 cw(c530.26,3346.46) 560.41,3316.31 ; 574.05,3329.96 cw(c590.55,3313.46) 590.55,3336.79 ccw(c590.55,3313.46) 574.05,3329.96 ; 574.05,3329.96 ccw(c557.55,3346.46) 580.89,3346.46 cw(c557.55,3346.46) 574.05,3329.96
NetJ6_e3: J6.E3 R36.2 | length 553.9
  Top Layer w12: R36.2@270.08,3364.17 cw(c323.57,3310.68) 323.57,3386.33 490.58,3386.33 ccw(c490.58,3486.33) 561.29,3415.62 J6.E3@590.55,3444.88 ; 563.83,3418.16 cw(c590.55,3391.44) 590.55,3429.23 ccw(c590.55,3391.44) 563.83,3418.16 ; 563.83,3418.16 ccw(c537.11,3444.88) 574.9,3444.88 cw(c537.11,3444.88) 563.83,3418.16 ; R36.2@275.08,3375.49 ccw(c281.53,3399.57) 293.99,3377.98 cw(c281.53,3399.57) R36.2@275.08,3375.49 ; R36.2@283.36,3361.14 cw(c313.93,3352.95) 298.11,3380.36 ccw(c313.93,3352.95) R36.2@283.36,3361.14
NetJ6_e4: J6.E4 R35.2 | length 495.7
  Bottom Layer w12: R35.2@349.21,3624.02 ccw(c402.71,3677.51) 402.71,3601.86 490.58,3601.86 cw(c490.58,3501.86) 561.29,3572.57 J6.E4@590.55,3543.31 ; R35.2@355.8,3613.25 cw(c361.47,3600) 373.96,3607.2 ; 563.83,3570.03 cw(c537.11,3543.31) 574.9,3543.31 ccw(c537.11,3543.31) 563.83,3570.03 ; 563.83,3570.03 ccw(c590.55,3596.75) 590.55,3558.96 cw(c590.55,3596.75) 563.83,3570.03 ; R35.2@354.21,3612.7 cw(c360.66,3588.62) 373.13,3610.21 ccw(c360.66,3588.62) R35.2@354.21,3612.7 ; R35.2@362.5,3627.05 ccw(c393.07,3635.24) 377.24,3607.83 cw(c393.07,3635.24) R35.2@362.5,3627.05
NetJ6_f3: J6.F3 R36.1 | length 483.3
  Top Layer w12: R36.1@270.08,3427.17 ccw(c325.21,3482.29) 325.21,3404.33 470.04,3404.33 ccw(c470.04,3454.8) 505.73,3419.11 ; J6.F3@531.5,3444.88 505.73,3419.11 ; 505.73,3419.12 cw(c530.19,3394.66) 531.09,3429.23 ccw(c530.19,3394.66) 505.73,3419.12 ; 505.73,3419.12 ccw(c481.27,3443.57) 515.85,3444.47 cw(c481.27,3443.57) 505.73,3419.12 ; R36.1@275.08,3415.85 cw(c281.53,3391.77) 293.99,3413.36 ccw(c281.53,3391.77) R36.1@275.08,3415.85 ; R36.1@283.36,3430.2 ccw(c313.93,3438.39) 298.11,3410.98 cw(c313.93,3438.39) R36.1@283.36,3430.2
NetJ6_f4: J6.F4 R35.1 | length 441.2
  Bottom Layer w12: R35.1@349.21,3561.02 cw(c404.34,3505.9) 404.34,3583.86 470.04,3583.86 cw(c470.04,3533.39) 505.73,3569.08 ; R35.1@355.61,3571.87 ccw(c361.17,3585.48) 373.9,3578.13 ; R35.1@362.5,3557.99 cw(c393.07,3549.8) 377.24,3577.21 ; R35.1@362.5,3558.38 cw(c393.07,3550.19) 377.24,3577.6 ; J6.F4@520.23,3554.57 J6.F4@531.5,3543.31 505.73,3569.08 ; 505.73,3569.07 cw(c481.27,3544.62) 515.85,3543.72 ccw(c481.27,3544.62) 505.73,3569.07 ; 505.73,3569.07 ccw(c530.19,3593.53) 531.09,3558.96 cw(c530.19,3593.53) 505.73,3569.07 ; R35.1@354.21,3572.34 ccw(c360.66,3596.42) 373.13,3574.83 cw(c360.66,3596.42) R35.1@354.21,3572.34